# Altium PCB HIVE_SIGHT.PcbDoc (part 1 of 4) (continued)
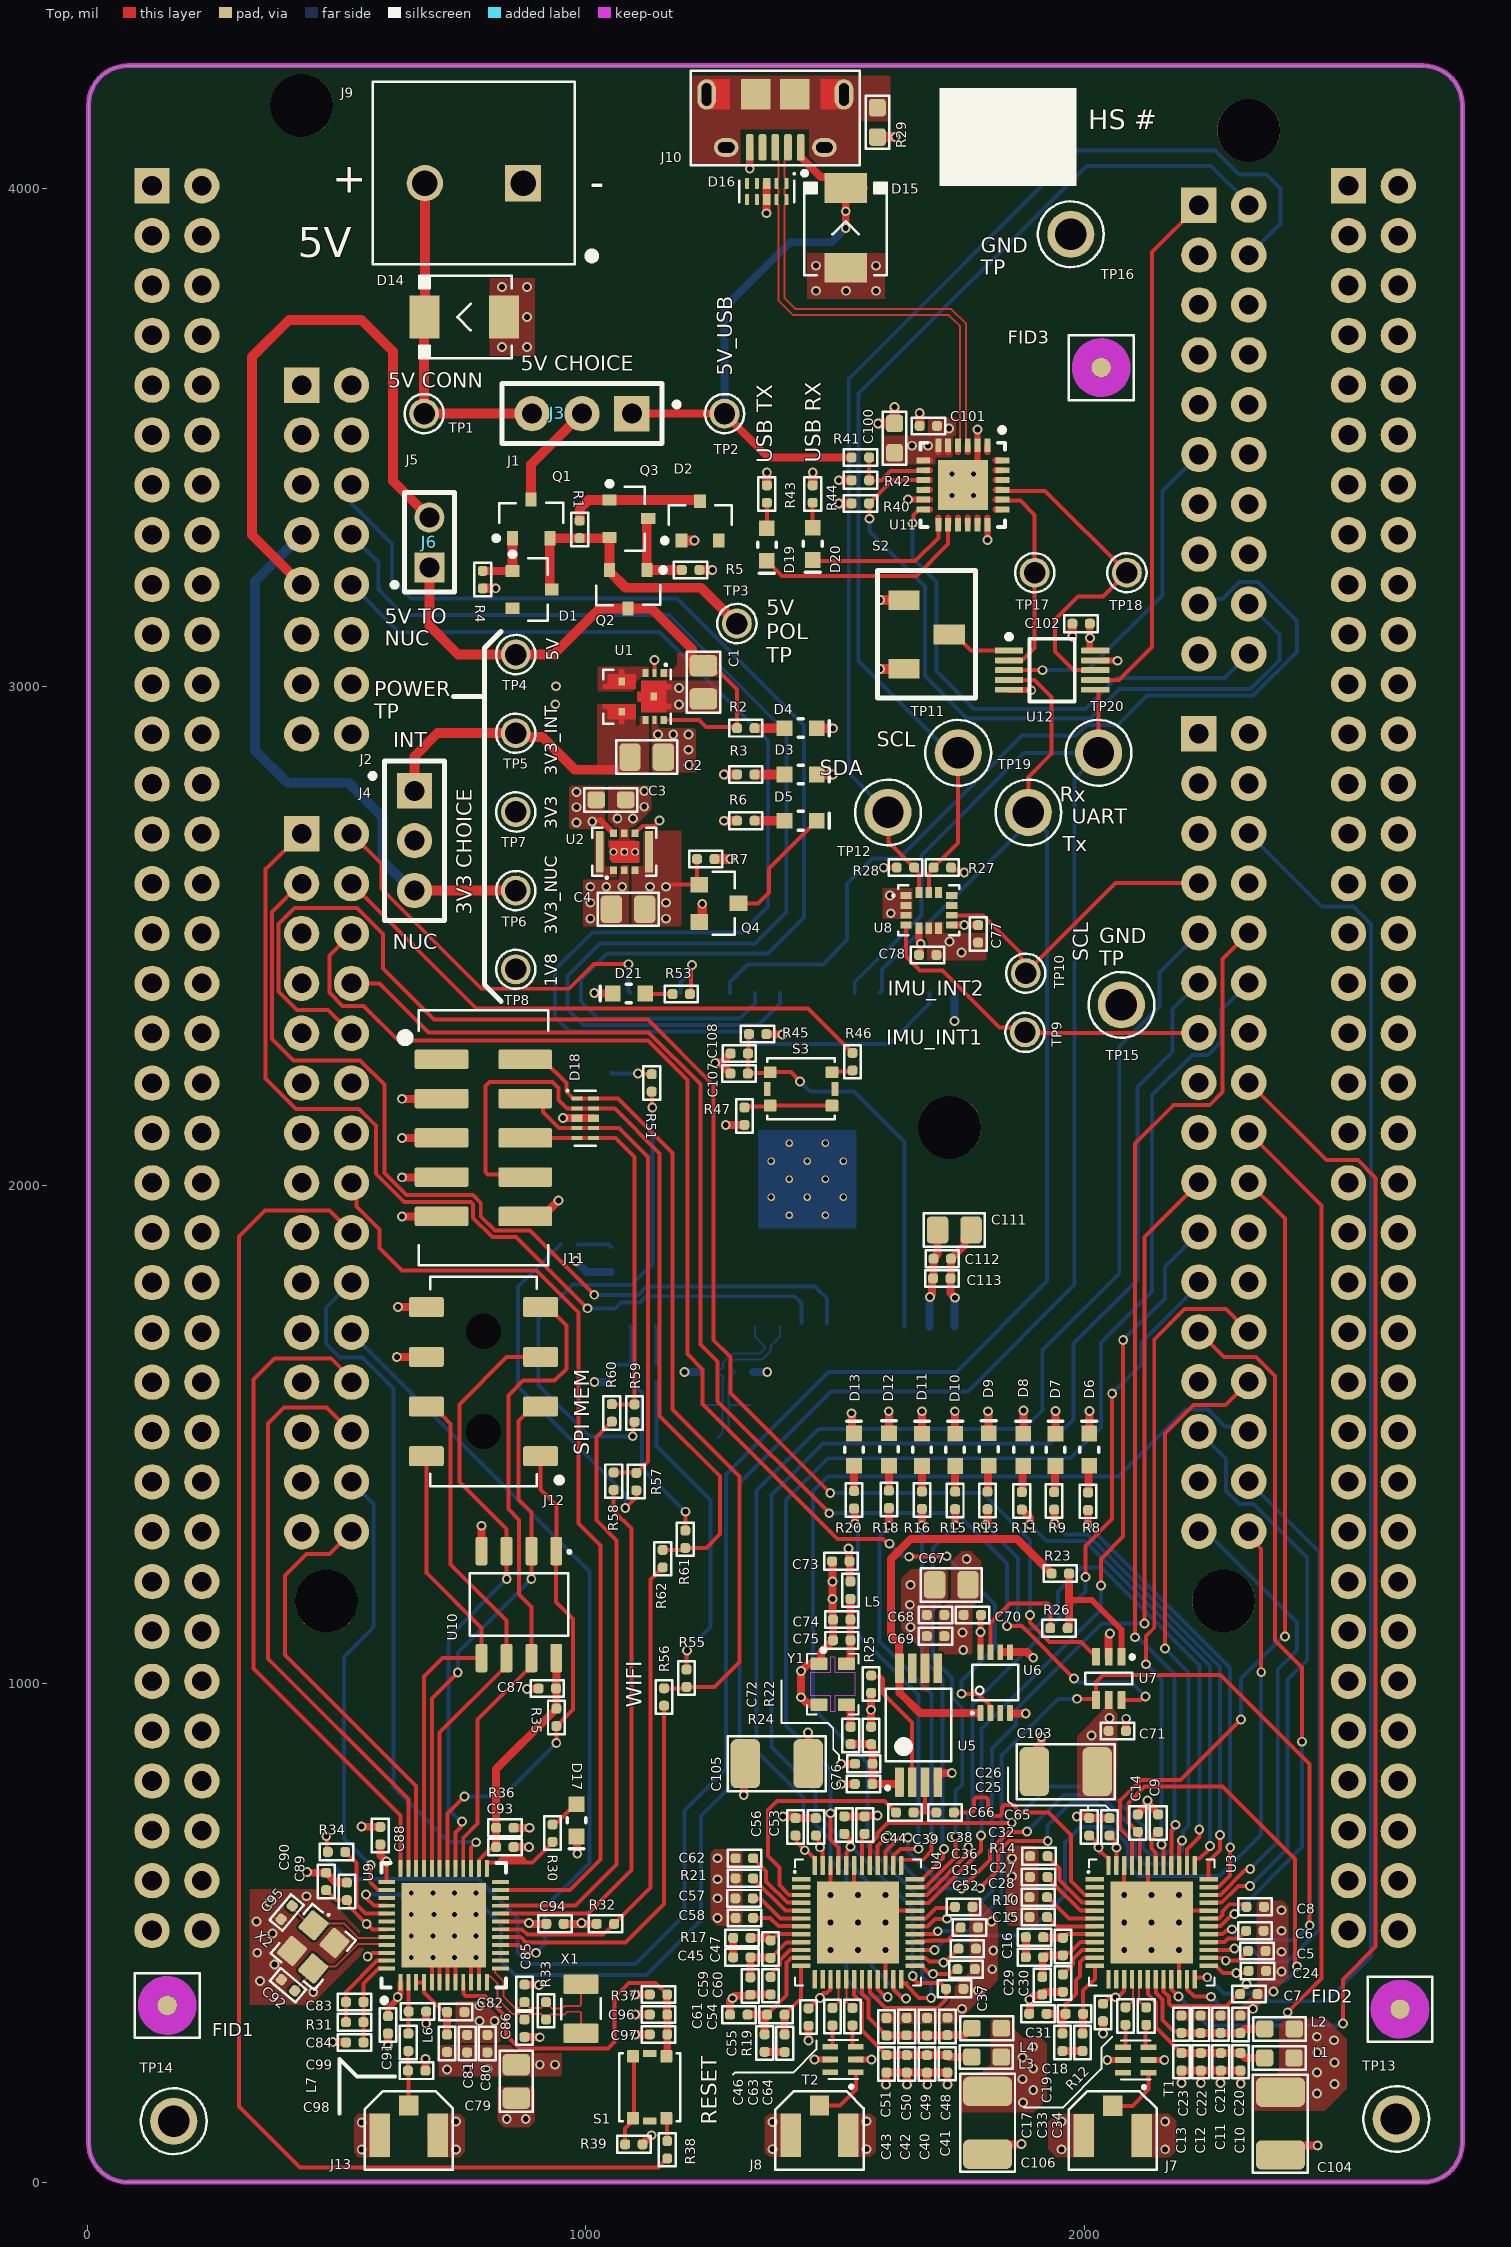
[diagram p0: Top view]
## Components (designator, comment, footprint, x,y, rotation, side; value= is the part's Value field where it differs from the comment) (continued)
T2 "HHM1595A1" XFR_HHM1595A1 1515.95,246.55 r90 top value="3GHz  ~ 8GHz"
TP1 "100MIL" TPO_TH_ROUND_100MIL 675.5,3548.3 r0 top
TP2 "100MIL" TPO_TH_ROUND_100MIL 1278.08,3548.3 r0 top
TP3 "100MIL" TPO_TH_ROUND_100MIL 1302.91,3127.17 r0 top
TP4 "100MIL" TPO_TH_ROUND_100MIL 859.25,3064.96 r0 top
TP5 "100MIL" TPO_TH_ROUND_100MIL 859.25,2907.12 r0 top
TP6 "100MIL" TPO_TH_ROUND_100MIL 859.25,2591.43 r0 top
TP7 "100MIL" TPO_TH_ROUND_100MIL 859.25,2749.27 r90 top
TP8 "100MIL" TPO_TH_ROUND_100MIL 859.25,2433.59 r90 top
TP9 "100MIL" TPO_TH_ROUND_100MIL 1880.91,2307.09 r270 top
TP10 "100MIL" TPO_TH_ROUND_100MIL 1882.26,2425.78 r270 top
TP11 "5011" TPO_5011#1 1746.8,2867.9 r180 top
TP12 "5011" TPO_5011#2 1606.05,2748.25 r180 top
TP13 "5011" TPO_5011#1 2625.57,127.34 r180 top
TP14 "5011" TPO_5011#1 173.24,122.84 r180 top
TP15 "5011" TPO_5011#1 2074.27,2362.2 r180 top
TP16 "5011" TPO_5011#1 1972.7,3908.1 r180 top
TP17 "100MIL" TPO_TH_ROUND_100MIL 1900.26,3229.17 r0 top
TP18 "100MIL" TPO_TH_ROUND_100MIL 2085.26,3229.17 r0 top
TP19 "5011" TPO_5011#1 1887.56,2748.25 r180 top
TP20 "5011" TPO_5011#1 2028.32,2867.9 r180 top
U1 "XCL214B333DR" REG_SWR_XCL214B333DR 1102.35,2980.62 r90 top value=3.3V
U2 "MYRGP180100W21RA" REG_SWR_MYRGP180100W21RA 1077.02,2669.29 r180 top value=1.8V
U3 "DW1000-I-TR13" COM_XCV_DW1000-I-TR13 2134.95,521.53 r0 top
U4 "DW1000-I-TR13" COM_XCV_DW1000-I-TR13 1545.85,521.53 r0 top
U5 "LMK1C1102PWR" COM_BUF_LMK1C1102PWR 1667.32,917.32 r90 top
U6 "SN74LVC2G00DCUR" LOG_NAND_SN74LVC2G00DCUR 1821.21,1002.66 r90 top
U7 "SN74LVC1G175DCKT" LOG_FLIPFLOP_SN74LVC1G175DCKT 2048.83,1011.02 r270 top
U8 "LSM6DSMTR" SEN_IMU_LSM6DSMTR 1687.81,2551.75 r180 top value=-
U9 "ESP32-D0WDQ6-V3" COM_WIFI_ESP32-D0WDQ6-V3 714.57,515.75 r90 top
U10 "MX25L3233FM1I-08Q" MEM_FLASH_MX25L3233FM1I-08Q 865.69,1159.29 r270 top value="32Mb (8M x 4)"
U11 "CP2102N-A02-GQFN24R" COM_XCV_CP2102N-A02-GQFN24R 1756.16,3405.28 r270 top value=-
U12 "TMUX154EDGSR" LOG_MUX_TMUX154EDGSR 1935.31,3033.65 r0 top value=-
U13 "NUCLEO_F429ZI" MOD_NUCLEO-F429ZI 1379.63,2230.13 r180 bottom locked value=-
U14 "ESP32-WROOM-32U" COM_ESP32-WROOM-32U(8MB) 1444,2051.84 r90 bottom
X1 "CM7V-T1A-32KHZ" CRY_CM7V-T1A-32.768KHZ-12.5PF-20PPM-TA-QC 990.16,348.43 r270 top value=32kHz
X2 "FA-20H 40.0000MF10Z-K3" "CRY_FA-20H 40.0000MF10Z-K3" 453.15,472.48 r230 top value=40MHz
X3 "CM7V-T1A-32KHZ" CRY_CM7V-T1A-32.768KHZ-12.5PF-20PPM-TA-QC 1280.37,1559.77 r0 bottom value=32kHz
Y1 "ASTXR-12-38.400MHz-514054-T" OSC_ASTXR-12-38.400MHZ-514054-T 1495.08,999.57 r270 top value=38.4MHz

## Footprints (in the part's own frame and the unit in brackets; to place one, negate y for a bottom-side part, rotate by r counter-clockwise, add the part's x,y. Pads: shape width x height; smd on the part's side, far side on the other; paste and mask are expansions set on the pad)
CAP_CER_0402 [mil] "Ceramic Capacitor - 0402"
  rrect60% 20x20 smd paste+0 mask+1.97: 1(-17.5,0) 2(17.5,0)
  silkscreen extent -33,-17 33,17, body extent -19,-10 20,10, height 20
CAP_CER_0603 [mil] "Ceramic Capacitor - 0603"
  rrect35% 35x34 smd paste+0 mask+1.97: 1(-29.5,0) 2(29.5,0)
  silkscreen extent -53,-24 53,24, body extent -31,-16 31,16, height 35
CAP_CER_0805 [mil] "Ceramic Capacitor - 0805"
  rrect37% 43x55 smd paste+0 mask+1.97: 1(-33.5,0) 2(33.5,0)
  silkscreen extent -61,-33 61,33, body extent -39,-24 40,25, height 49
CAP_CER_1210 [mm] "Ceramic Capacitor - 1210"
  rrect40% 1.5x2.5 smd paste+0 mask+0.05: 1(-1.6,0) 2(1.6,0)
  silkscreen extent -2.5,-1.4 2.5,1.4, body extent -1.57,-1.24 1.63,1.26, height 2.5
COM_BUF_LMK1C1102PWR [mm] "TSOP, 8-Leads, Body 3,00x4,40mm, Pitch 0,65mm, IPC Medium Density"
  rrect20% 1.5x0.45 smd paste-0.05 mask+0.05: 1(-2.9,0.975) 2(-2.9,0.325) 3(-2.9,-0.325) 4(-2.9,-0.975) 5(2.9,-0.975) 6(2.9,-0.325) 7(2.9,0.325) 8(2.9,0.975)
  silkscreen extent -3.25,-1.68 1.85,1.68, body extent -3.2,-1.55 3.2,1.55, height 1.2
COM_ESP32-WROOM-32U(8MB) [mm]
  rrect20% 2x0.9 smd paste-0.025 mask+0.07: 1(-8.5,7.5) 2(-8.5,6.23) 3(-8.5,4.96) 4(-8.5,3.69) 5(-8.5,2.42) 6(-8.5,1.15) 7(-8.5,-0.12) 8(-8.5,-1.39) 9(-8.5,-2.66) 10(-8.5,-3.93) 11(-8.5,-5.2) 12(-8.5,-6.47) 13(-8.5,-7.74) 14(-8.5,-9.01) 25(8.5,-9.01) 26(8.5,-7.74) 27(8.5,-6.47) 28(8.5,-5.2) 29(8.5,-3.93) 30(8.5,-2.66) 31(8.5,-1.39) 32(8.5,-0.12) 33(8.5,1.15) 34(8.5,2.42) 35(8.5,3.69) 36(8.5,4.96) 37(8.5,6.23) 38(8.5,7.5)
  rrect20% 0.9x2 smd paste-0.025 mask+0.07: 15(-5.715,-10.01) 16(-4.445,-10.01) 17(-3.175,-10.01) 18(-1.905,-10.01) 19(-0.635,-10.01) 20(0.635,-10.01) 21(1.905,-10.01) 22(3.175,-10.01) 23(4.445,-10.01) 24(5.715,-10.01)
  rrect0% 1.33x1.33 smd paste-0.025 mask+0.07: 39(-2.835,-1.835) 39(-2.835,0) 39(-2.835,1.835) 39(-1,-1.835) 39(-1,0) 39(-1,1.835) 39(0.835,-1.835) 39(0.835,0) 39(0.835,1.835)
  Top region: -3.5,2.5 1.5,2.5 1.5,-2.5 -3.5,-2.5
  silkscreen extent -9.17,-10.73 9.17,8.83, body extent -9.04,-10.55 9.03,8.69, height 3.4
COM_WIFI_ESP32-D0WDQ6-V3 [mm]
  rrect20% 0.85x0.2 smd paste-0.025 mask+0.05: 1(-2.9,2.2) 2(-2.9,1.8) 3(-2.9,1.4) 4(-2.9,1) 5(-2.9,0.6) 6(-2.9,0.2) 7(-2.9,-0.2) 8(-2.9,-0.6) 9(-2.9,-1) 10(-2.9,-1.4) 11(-2.9,-1.8) 12(-2.9,-2.2) 25(2.9,-2.2) 26(2.9,-1.8) 27(2.9,-1.4) 28(2.9,-1) 29(2.9,-0.6) 30(2.9,-0.2) 31(2.9,0.2) 32(2.9,0.6) 33(2.9,1) 34(2.9,1.4) 35(2.9,1.8) 36(2.9,2.2)
  rrect20% 0.2x0.85 smd paste-0.025 mask+0.05: 13(-2.2,-2.9) 14(-1.8,-2.9) 15(-1.4,-2.9) 16(-1,-2.9) 17(-0.6,-2.9) 18(-0.2,-2.9) 19(0.2,-2.9) 20(0.6,-2.9) 21(1,-2.9) 22(1.4,-2.9) 23(1.8,-2.9) 24(2.2,-2.9) 37(2.2,2.9) 38(1.8,2.9) 39(1.4,2.9) 40(1,2.9) 41(0.6,2.9) 42(0.2,2.9) 43(-0.2,2.9) 44(-0.6,2.9) 45(-1,2.9) 46(-1.4,2.9) 47(-1.8,2.9) 48(-2.2,2.9)
  rect 4.3x4.3 smd paste-4.3 mask+0.05: 49(0,0)
  silkscreen extent -3.95,-3.18 3.18,3.18, body extent -3.03,-3.03 3.03,3.03, height 0.9
COM_XCV_CP2102N-A02-GQFN24R [mm] "QFN, 24-Leads, Body 4.00x4.00mm, Pitch 0.50mm, Thermal Pad 2.55x2.55mm, IPC Medium Density"
  rect 0.7x0.3 smd paste-0.025 mask+0.05: 1(-2.025,1.25) 2(-2.025,0.75) 3(-2.025,0.25) 4(-2.025,-0.25) 5(-2.025,-0.75) 6(-2.025,-1.25) 13(2.025,-1.25) 14(2.025,-0.75) 15(2.025,-0.25) 16(2.025,0.25) 17(2.025,0.75) 18(2.025,1.25)
  rect 0.3x0.7 smd paste-0.025 mask+0.05: 7(-1.25,-2.025) 8(-0.75,-2.025) 9(-0.25,-2.025) 10(0.25,-2.025) 11(0.75,-2.025) 12(1.25,-2.025) 19(1.25,2.025) 20(0.75,2.025) 21(0.25,2.025) 22(-0.25,2.025) 23(-0.75,2.025) 24(-1.25,2.025)
  rect 2.55x2.55 smd paste-0.025 mask+0.05: 25(0,0)
  Top region: -1.675,1.1 -1.61,1.115 -1.558,1.156 -1.529,1.217 -1.529,1.283 -1.558,1.344 -1.61,1.385 -1.675,1.4 -1.675,1.4 -2.025,1.4 -2.025,1.1
  Top region: -1.675,-0.9 -1.61,-0.885 -1.558,-0.844 -1.529,-0.783 -1.529,-0.717 -1.558,-0.656 -1.61,-0.615 -1.675,-0.6 -1.675,-0.6 -2.025,-0.6 -2.025,-0.9
  Top region: -1.675,-0.4 -1.61,-0.385 -1.558,-0.344 -1.529,-0.283 -1.529,-0.217 -1.558,-0.156 -1.61,-0.115 -1.675,-0.1 -1.675,-0.1 -2.025,-0.1 -2.025,-0.4
  Top region: -1.675,0.1 -1.61,0.115 -1.558,0.156 -1.529,0.217 -1.529,0.283 -1.558,0.344 -1.61,0.385 -1.675,0.4 -1.675,0.4 -2.025,0.4 -2.025,0.1
  Top region: -1.675,0.6 -1.61,0.615 -1.558,0.656 -1.529,0.717 -1.529,0.783 -1.558,0.844 -1.61,0.885 -1.675,0.9 -1.675,0.9 -2.025,0.9 -2.025,0.6
  Top region: -1.1,-1.675 -1.115,-1.61 -1.156,-1.558 -1.217,-1.529 -1.283,-1.529 -1.344,-1.558 -1.385,-1.61 -1.4,-1.675 -1.4,-1.675 -1.4,-2.025 -1.1,-2.025
  Top region: 1.4,-1.675 1.385,-1.61 1.344,-1.558 1.283,-1.529 1.217,-1.529 1.156,-1.558 1.115,-1.61 1.1,-1.675 1.1,-1.675 1.1,-2.025 1.4,-2.025
  Top region: 0.9,-1.675 0.885,-1.61 0.844,-1.558 0.783,-1.529 0.717,-1.529 0.656,-1.558 0.615,-1.61 0.6,-1.675 0.6,-1.675 0.6,-2.025 0.9,-2.025
  Top region: 0.4,-1.675 0.385,-1.61 0.344,-1.558 0.283,-1.529 0.217,-1.529 0.156,-1.558 0.115,-1.61 0.1,-1.675 0.1,-1.675 0.1,-2.025 0.4,-2.025
  Top region: -0.1,-1.675 -0.115,-1.61 -0.156,-1.558 -0.217,-1.529 -0.283,-1.529 -0.344,-1.558 -0.385,-1.61 -0.4,-1.675 -0.4,-1.675 -0.4,-2.025 -0.1,-2.025
  Top region: -0.6,-1.675 -0.615,-1.61 -0.656,-1.558 -0.717,-1.529 -0.783,-1.529 -0.844,-1.558 -0.885,-1.61 -0.9,-1.675 -0.9,-1.675 -0.9,-2.025 -0.6,-2.025
  Top region: 1.675,-1.1 1.61,-1.115 1.558,-1.156 1.529,-1.217 1.529,-1.283 1.558,-1.344 1.61,-1.385 1.675,-1.4 1.675,-1.4 2.025,-1.4 2.025,-1.1
  Top region: 1.675,1.4 1.61,1.385 1.558,1.344 1.529,1.283 1.529,1.217 1.558,1.156 1.61,1.115 1.675,1.1 1.675,1.1 2.025,1.1 2.025,1.4
  Top region: 1.675,0.9 1.61,0.885 1.558,0.844 1.529,0.783 1.529,0.717 1.558,0.656 1.61,0.615 1.675,0.6 1.675,0.6 2.025,0.6 2.025,0.9
  Top region: 1.675,0.4 1.61,0.385 1.558,0.344 1.529,0.283 1.529,0.217 1.558,0.156 1.61,0.115 1.675,0.1 1.675,0.1 2.025,0.1 2.025,0.4
  Top region: 1.675,-0.1 1.61,-0.115 1.558,-0.156 1.529,-0.217 1.529,-0.283 1.558,-0.344 1.61,-0.385 1.675,-0.4 1.675,-0.4 2.025,-0.4 2.025,-0.1
  Top region: 1.675,-0.6 1.61,-0.615 1.558,-0.656 1.529,-0.717 1.529,-0.783 1.558,-0.844 1.61,-0.885 1.675,-0.9 1.675,-0.9 2.025,-0.9 2.025,-0.6
  Top region: 1.1,1.675 1.115,1.61 1.156,1.558 1.217,1.529 1.283,1.529 1.344,1.558 1.385,1.61 1.4,1.675 1.4,1.675 1.4,2.025 1.1,2.025
  Top region: -1.4,1.675 -1.385,1.61 -1.344,1.558 -1.283,1.529 -1.217,1.529 -1.156,1.558 -1.115,1.61 -1.1,1.675 -1.1,1.675 -1.1,2.025 -1.4,2.025
  Top region: -0.9,1.675 -0.885,1.61 -0.844,1.558 -0.783,1.529 -0.717,1.529 -0.656,1.558 -0.615,1.61 -0.6,1.675 -0.6,1.675 -0.6,2.025 -0.9,2.025
  Top region: -0.4,1.675 -0.385,1.61 -0.344,1.558 -0.283,1.529 -0.217,1.529 -0.156,1.558 -0.115,1.61 -0.1,1.675 -0.1,1.675 -0.1,2.025 -0.4,2.025
  Top region: 0.1,1.675 0.115,1.61 0.156,1.558 0.217,1.529 0.283,1.529 0.344,1.558 0.385,1.61 0.4,1.675 0.4,1.675 0.4,2.025 0.1,2.025
  Top region: 0.6,1.675 0.615,1.61 0.656,1.558 0.717,1.529 0.783,1.529 0.844,1.558 0.885,1.61 0.9,1.675 0.9,1.675 0.9,2.025 0.6,2.025
  Top region: -1.675,-1.4 -1.61,-1.385 -1.558,-1.344 -1.529,-1.283 -1.529,-1.217 -1.558,-1.156 -1.61,-1.115 -1.675,-1.1 -1.675,-1.1 -2.025,-1.1 -2.025,-1.4
  silkscreen extent -2.92,-2.15 2.15,2.15, body extent -2,-2 2,2, height 0.8
COM_XCV_DW1000-I-TR13 [mm] "QFN 48 package, 0.5mm pitch"
  rrect20% 0.95x0.22 smd paste-0.025 mask+0.04: 1(-2.9,2.2) 2(-2.9,1.8) 3(-2.9,1.4) 4(-2.9,1) 5(-2.9,0.6) 6(-2.9,0.2) 7(-2.9,-0.2) 8(-2.9,-0.6) 9(-2.9,-1) 10(-2.9,-1.4) 11(-2.9,-1.8) 12(-2.9,-2.2) 25(2.9,-2.2) 26(2.9,-1.8) 27(2.9,-1.4) 28(2.9,-1) 29(2.9,-0.6) 30(2.9,-0.2) 31(2.9,0.2) 32(2.9,0.6) 33(2.9,1) 34(2.9,1.4) 35(2.9,1.8) 36(2.9,2.2)
  rrect20% 0.22x0.95 smd paste-0.025 mask+0.04: 13(-2.2,-2.9) 14(-1.8,-2.9) 15(-1.4,-2.9) 16(-1,-2.9) 17(-0.6,-2.9) 18(-0.2,-2.9) 19(0.2,-2.9) 20(0.6,-2.9) 21(1,-2.9) 22(1.4,-2.9) 23(1.8,-2.9) 24(2.2,-2.9) 37(2.2,2.9) 38(1.8,2.9) 39(1.4,2.9) 40(1,2.9) 41(0.6,2.9) 42(0.2,2.9) 43(-0.2,2.9) 44(-0.6,2.9) 45(-1,2.9) 46(-1.4,2.9) 47(-1.8,2.9) 48(-2.2,2.9)
  rect 4.2x4.2 smd paste-5 mask+0.07: 49(0,0)
  silkscreen extent -3.27,-3.2 3.2,3.2, body extent -3.05,-3.05 3.05,3.05, height 0.9
CON_0878321014 [mm]
  rrect20% 1x2.75 smd: 1(-4,-2.13) 2(-4,2.13) 3(-2,-2.13) 4(-2,2.13) 5(0,-2.13) 6(0,2.13) 7(2,-2.13) 8(2,2.13) 9(4,-2.13) 10(4,2.13)
  silkscreen extent -6.49,-4.17 6.49,3.3, body extent -6.32,-3.17 6.33,3.18, height 9.05
"CON_ 1935161" [mm]
  rect 1.85x1.85 hole 1.3: 1(0,0)
  round 1.85 hole 1.3: 2(5,0)
  silkscreen extent -3.63,-5.16 7.65,4.14, body extent -2.5,-5 8.07,4, height 11.4
CON_HDR_1X2 [mil]
  rect 60x60 hole 40: 1(0,50)
  round 60 hole 40: 2(0,-50)
  silkscreen extent -50,-100 75,100, body extent -50,-100 50,100, height 334
CON_HDR_M20-7810445R [mm]
  rrect20% 1.02x1.78 smd paste-0.025 mask+0.07: 1(-3.81,-2.91) 2(-1.27,-2.911) 3(1.248,-2.911) 4(3.788,-2.911) 5(3.788,2.91) 6(1.248,2.91) 7(-1.27,2.91) 8(-3.81,2.91)
  round 1 hole 1.8: ""(-2.554,0) ""(2.554,0)
  silkscreen extent -5.33,-3.9 5.33,2.72, body extent -5.08,-3.63 5.08,3.57, height 3.75
CON_HDR_NUCLEO_F429ZI_C008DAAN-RC [mil]
  body extent -98,-400 98,400, height 330
CON_HDR_NUCLEO_F429ZI_C010DAAN-RC [mil]
  body extent -98,-500 98,500, height 330
CON_HDR_NUCLEO_F429ZI_C015DAAN-RC [mil]
  body extent -98,-750 98,750, height 330
CON_HDR_NUCLEO_F429ZI_C017DAAN-RC [mil]
  body extent -98,-850 98,850, height 330
CON_HDR_TSW-103-07-G-S [mm] "Connector Header 100 mil HDR"
  rect 1.8x1.8 hole 1.02 mask+0.1: 1(-2.54,0)
  round 1.8 hole 1.02 mask+0.1: 2(0,0) 3(2.54,0)
  silkscreen extent -4.95,-1.52 4.06,1.52, body extent -3.94,-1.27 3.81,1.27, height 8.38
CON_JMP_SNT-100-BK-T-H [mil] "100 Mil Header Jumper"
  body extent -100,-50 100,50, height 650
CON_UMC_128-0711-201 [mil]
  rect 39x41 smd paste-0.98 mask+1.97: 1(0,-59.5)
  rect 41x87 smd paste-0.98 mask+1.97: 2(-58,0) 3(58,0)
  silkscreen extent -89,-89 89,69, body extent -59,-61 59,61, height 51
CON_USB_10118194-0001LF [mm] "CONN USB MICRO B RECPT SMT R/A"
  rrect50% 0.4x1.35 smd paste+0 mask+0.05: 1(-1.3,2.7) 2(-0.65,2.7) 3(0,2.7) 4(0.65,2.7) 5(1.3,2.7)
  rrect100% 1.25x0.95 hole 0.55 slot 0.85 at 0 deg mask+0.05: 6(2.5,2.7) 11(-2.5,2.7)
  rrect100% 0.95x1.55 hole 0.5 slot 1.15 at 90 deg mask+0.05: 7(3.5,0) 10(-3.5,0)
  rect 1.5x1.55 smd paste+0 mask+0.05: 8(1,0) 9(-1,0)
  Top region: 2.3,-0.775 3.5,-0.775 3.5,0.775 2.3,0.775
  Top region: -2.3,0.775 -3.5,0.775 -3.5,-0.775 -2.3,-0.775
  silkscreen extent -4.3,-1.2 4.3,4.11, body extent -4.03,-2.69 4.02,2.89, height 2.72
CRY_CM7V-T1A-32.768KHZ-12.5PF-20PPM-TA-QC [mm] "CRY - 32.768KHZ tol:20ppm 12.5PF - 2-SMD"
  rrect20% 1x1.8 smd paste-0.025 mask+0.07: 1(-1.25,0) 2(1.25,0)
  silkscreen extent -0.53,-1.02 0.53,1.02, body extent -1.65,-0.8 1.65,0.8, height 0.65
"CRY_FA-20H 40.0000MF10Z-K3" [mm] "CRY - 40MKHZ 10ppm 10PF - 4-SMD"
  rrect20% 1.2x1.1 smd paste-0.025 mask+0.07: 1(-0.85,-0.7) 2(0.85,-0.7) 3(0.85,0.7) 4(-0.85,0.7)
  silkscreen extent -1.8,-1.45 1.65,1.45, body extent -1.3,-1.05 1.3,1.05, height 0.55
DIO_ZENER_BZX84-B3V6,215 [mm]
  rect 0.7x0.6 smd paste-0.025 mask+0.07: 1(-1,0.95) 2(-1,-0.95) 3(1,0)
  silkscreen extent -1.12,-1.6 0.81,1.92, body extent -1.3,-1.5 1.3,1.5, height 1.1
FER_0402 [mil] "Ferrite - 0402"
  rrect60% 20x20 smd paste+0 mask+1.97: 1(-17.5,0) 2(17.5,0)
  silkscreen extent -33,-17 33,17, body extent -20,-10 20,10, height 19
FER_0603 [mil] "Ferrite - 0603"
  rrect35% 35x34 smd paste+0 mask+1.97: 1(-29.5,0) 2(29.5,0)
  silkscreen extent -53,-24 53,24, body extent -31,-16 31,16, height 31
FID_CIRCLE_1MM [mm]
  round 1 smd paste-1 mask+1: 1(0,0)
  round 1 smd far side paste-1 mask+1: 2(0,0)
  Top keep-out circle w1: c0,0 r1
  Bottom keep-out circle w1: c0,0 r1
  silkscreen extent -1.65,-1.65 1.65,1.65
LED_SML-D12P8WT86 [mm] "0603"
  rect 0.8x0.8 smd paste-0.025 mask+0.07: A(0.825,0) K(-0.825,0)
  silkscreen extent -1.45,-0.48 0.13,0.48, body extent -0.8,-0.4 0.8,0.4, height 0.6
LOG_FLIPFLOP_SN74LVC1G175DCKT [mm] "SOT23, 6-Leads, Body 2.00x2.10mm, Pitch 0.65mm, IPC Medium Density"
  rrect10% 0.9x0.4 smd paste-0.025 mask+0.05: 1(-1.1,0.65) 2(-1.1,0) 3(-1.1,-0.65) 4(1.1,-0.65) 5(1.1,0) 6(1.1,0.65)
  silkscreen extent -1.16,-1.19 0.3,1.26, body extent -1.2,-1.07 1.2,1.07, height 1.1
LOG_MUX_TMUX154EDGSR [mm] "TSSOP, 10-Leads, Body 3.00x3.00mm, Pitch 0.50mm, IPC Medium Density"
  rrect30% 1.45x0.3 smd paste-0.025 mask+0.05: 1(-2.2,1) 2(-2.2,0.5) 3(-2.2,0) 4(-2.2,-0.5) 5(-2.2,-1) 6(2.2,-1) 7(2.2,-0.5) 8(2.2,0) 9(2.2,0.5) 10(2.2,1)
  silkscreen extent -2.32,-1.6 1.15,1.82, body extent -2.45,-1.55 2.45,1.55, height 1.1
LOG_NAND_SN74LVC2G00DCUR [mm] "SN74LVC2G00"
  rrect20% 0.8x0.3 smd paste-0.05 mask+0.05: 1(-1.55,0.75) 2(-1.55,0.25) 3(-1.55,-0.25) 4(-1.55,-0.75) 5(1.55,-0.75) 6(1.55,-0.25) 7(1.55,0.25) 8(1.55,0.75)
  silkscreen extent -1.61,-1.17 0.91,1.23, body extent -1.55,-1.05 1.55,1.05, height 0.9
MEM_FLASH_MX25L3233FM1I-08Q [mm] "SOIC, 8-Leads, Body 4,90x3,90mm, Pitch 1,27mm, IPC Medium Density"
  rrect30% 1.45x0.6 smd paste-0.025 mask+0.07: 1(-2.725,1.905) 2(-2.725,0.635) 3(-2.725,-0.635) 4(-2.725,-1.905) 5(2.725,-1.905) 6(2.725,-0.635) 7(2.725,0.635) 8(2.725,1.905)
  silkscreen extent -2.76,-2.5 1.6,2.64, body extent -3,-2.5 3,2.5, height 1.75
MOD_NUCLEO-F429ZI [mm]
  round 3.2 hole 3.2 unplated: 0(-24.13,47.909) 0(-22.86,-27.021) 0(-8.89,-2.891) 0(22.86,-27.021) 0(24.13,49.179)
  rect 1.8x1.8 hole 1: CN7-1(-21.59,44.099) CN8-1(24.13,34.93) CN9-1(24.13,12.07) CN10-1(-21.59,17.175) CN11-1(31.75,45.09) CN12-1(-29.21,45.09)
  round 1.8 hole 1: CN7-2(-24.13,44.099) CN7-3(-21.59,41.559) CN7-4(-24.13,41.559) CN7-5(-21.59,39.019) CN7-6(-24.13,39.019) CN7-7(-21.59,36.479) CN7-8(-24.13,36.479) CN7-9(-21.59,33.939) CN7-10(-24.13,33.939) CN7-11(-21.59,31.399) CN7-12(-24.13,31.399) CN7-13(-21.59,28.859) CN7-14(-24.13,28.859) CN7-15(-21.59,26.319) CN7-16(-24.13,26.319) CN7-17(-21.59,23.779) CN7-18(-24.13,23.779) CN7-19(-21.59,21.239) CN7-20(-24.13,21.239) CN8-2(21.59,34.93) CN8-3(24.13,32.39) CN8-4(21.59,32.39) CN8-5(24.13,29.85) CN8-6(21.59,29.85) CN8-7(24.13,27.31) CN8-8(21.59,27.31) CN8-9(24.13,24.77) CN8-10(21.59,24.77) CN8-11(24.13,22.23) CN8-12(21.59,22.23) CN8-13(24.13,19.69) CN8-14(21.59,19.69) CN8-15(24.13,17.15) CN8-16(21.59,17.15) CN9-2(21.59,12.07) CN9-3(24.13,9.53) CN9-4(21.59,9.53) CN9-5(24.13,6.99) CN9-6(21.59,6.99) CN9-7(24.13,4.45) CN9-8(21.59,4.45) CN9-9(24.13,1.91) CN9-10(21.59,1.91) CN9-11(24.13,-0.63) CN9-12(21.59,-0.63) CN9-13(24.13,-3.17) CN9-14(21.59,-3.17) CN9-15(24.13,-5.71) CN9-16(21.59,-5.71) CN9-17(24.13,-8.25) CN9-18(21.59,-8.25) CN9-19(24.13,-10.79) CN9-20(21.59,-10.79) CN9-21(24.13,-13.33) CN9-22(21.59,-13.33) CN9-23(24.13,-15.87) CN9-24(21.59,-15.87) CN9-25(24.13,-18.41) CN9-26(21.59,-18.41) CN9-27(24.13,-20.95) CN9-28(21.59,-20.95) CN9-29(24.13,-23.49) CN9-30(21.59,-23.49) CN10-2(-24.13,17.175) CN10-3(-21.59,14.635) CN10-4(-24.13,14.635) CN10-5(-21.59,12.095) CN10-6(-24.13,12.095) CN10-7(-21.59,9.555) CN10-8(-24.13,9.555) CN10-9(-21.59,7.015) CN10-10(-24.13,7.015) CN10-11(-21.59,4.475) CN10-12(-24.13,4.475) CN10-13(-21.59,1.935) CN10-14(-24.13,1.935) CN10-15(-21.59,-0.605) CN10-16(-24.13,-0.605) CN10-17(-21.59,-3.145) CN10-18(-24.13,-3.145) CN10-19(-21.59,-5.685) CN10-20(-24.13,-5.685) CN10-21(-21.59,-8.225) CN10-22(-24.13,-8.225) CN10-23(-21.59,-10.765) CN10-24(-24.13,-10.765) CN10-25(-21.59,-13.305) CN10-26(-24.13,-13.305) CN10-27(-21.59,-15.845) CN10-28(-24.13,-15.845) CN10-29(-21.59,-18.385) CN10-30(-24.13,-18.385) CN10-31(-21.59,-20.925) CN10-32(-24.13,-20.925) CN10-33(-21.59,-23.465) CN10-34(-24.13,-23.465) CN11-2(29.21,45.09) CN11-3(31.75,42.55) CN11-4(29.21,42.55) CN11-5(31.75,40.01) CN11-6(29.21,40.01) CN11-7(31.75,37.47) CN11-8(29.21,37.47) CN11-9(31.75,34.93) CN11-10(29.21,34.93) CN11-11(31.75,32.39) CN11-12(29.21,32.39) CN11-13(31.75,29.85) CN11-14(29.21,29.85) CN11-15(31.75,27.31) CN11-16(29.21,27.31) CN11-17(31.75,24.77) CN11-18(29.21,24.77) CN11-19(31.75,22.23) CN11-20(29.21,22.23) CN11-21(31.75,19.69) CN11-22(29.21,19.69) CN11-23(31.75,17.15) CN11-24(29.21,17.15) CN11-25(31.75,14.61) CN11-26(29.21,14.61) CN11-27(31.75,12.07) CN11-28(29.21,12.07) CN11-29(31.75,9.53) CN11-30(29.21,9.53) CN11-31(31.75,6.99) CN11-32(29.21,6.99) CN11-33(31.75,4.45) CN11-34(29.21,4.45) CN11-35(31.75,1.91) CN11-36(29.21,1.91) CN11-37(31.75,-0.63) CN11-38(29.21,-0.63) CN11-39(31.75,-3.17) CN11-40(29.21,-3.17) CN11-41(31.75,-5.71) CN11-42(29.21,-5.71) CN11-43(31.75,-8.25) CN11-44(29.21,-8.25) CN11-45(31.75,-10.79) CN11-46(29.21,-10.79) CN11-47(31.75,-13.33) CN11-48(29.21,-13.33) CN11-49(31.75,-15.87) CN11-50(29.21,-15.87) CN11-51(31.75,-18.41) CN11-52(29.21,-18.41) CN11-53(31.75,-20.95) CN11-54(29.21,-20.95) CN11-55(31.75,-23.49) CN11-56(29.21,-23.49) CN11-57(31.75,-26.03) CN11-58(29.21,-26.03) CN11-59(31.75,-28.57) CN11-60(29.21,-28.57) CN11-61(31.75,-31.11) CN11-62(29.21,-31.11) CN11-63(31.75,-33.65) CN11-64(29.21,-33.65) CN11-65(31.75,-36.19) CN11-66(29.21,-36.19) CN11-67(31.75,-38.73) CN11-68(29.21,-38.73) CN11-69(31.75,-41.27) CN11-70(29.21,-41.27) CN11-71(31.75,-43.81) CN11-72(29.21,-43.81) CN12-2(-31.75,45.09) CN12-3(-29.21,42.55) CN12-4(-31.75,42.55) CN12-5(-29.21,40.01) CN12-6(-31.75,40.01) CN12-7(-29.21,37.47) CN12-8(-31.75,37.47) CN12-9(-29.21,34.93) CN12-10(-31.75,34.93) CN12-11(-29.21,32.39) CN12-12(-31.75,32.39) CN12-13(-29.21,29.85) CN12-14(-31.75,29.85) CN12-15(-29.21,27.31) CN12-16(-31.75,27.31) CN12-17(-29.21,24.77) CN12-18(-31.75,24.77) CN12-19(-29.21,22.23) CN12-20(-31.75,22.23) CN12-21(-29.21,19.69) CN12-22(-31.75,19.69) CN12-23(-29.21,17.15) CN12-24(-31.75,17.15) CN12-25(-29.21,14.61) CN12-26(-31.75,14.61) CN12-27(-29.21,12.07) CN12-28(-31.75,12.07) CN12-29(-29.21,9.53) CN12-30(-31.75,9.53) CN12-31(-29.21,6.99) CN12-32(-31.75,6.99) CN12-33(-29.21,4.45) CN12-34(-31.75,4.45) CN12-35(-29.21,1.91) CN12-36(-31.75,1.91) CN12-37(-29.21,-0.63) CN12-38(-31.75,-0.63) CN12-39(-29.21,-3.17) CN12-40(-31.75,-3.17) CN12-41(-29.21,-5.71) CN12-42(-31.75,-5.71) CN12-43(-29.21,-8.25) CN12-44(-31.75,-8.25) CN12-45(-29.21,-10.79) CN12-46(-31.75,-10.79) CN12-47(-29.21,-13.33) CN12-48(-31.75,-13.33) CN12-49(-29.21,-15.87) CN12-50(-31.75,-15.87) CN12-51(-29.21,-18.41) CN12-52(-31.75,-18.41) CN12-53(-29.21,-20.95) CN12-54(-31.75,-20.95) CN12-55(-29.21,-23.49) CN12-56(-31.75,-23.49) CN12-57(-29.21,-26.03) CN12-58(-31.75,-26.03) CN12-59(-29.21,-28.57) CN12-60(-31.75,-28.57) CN12-61(-29.21,-31.11) CN12-62(-31.75,-31.11) CN12-63(-29.21,-33.65) CN12-64(-31.75,-33.65) CN12-65(-29.21,-36.19) CN12-66(-31.75,-36.19) CN12-67(-29.21,-38.73) CN12-68(-31.75,-38.73) CN12-69(-29.21,-41.27) CN12-70(-31.75,-41.27) CN12-71(-29.21,-43.81) CN12-72(-31.75,-43.81)
  silkscreen extent -33.06,-45.19 33.84,46.47, body extent -35,-59.04 35,77.95, height 21.04
OSC_ASTXR-12-38.400MHZ-514054-T [mm]
  rrect10% 0.63x0.85 smd paste-0.025 mask+0.07: 1(-1.04,-0.7) 3(1.04,-0.7) 4(1.04,0.7) 6(-1.04,0.7)
  Top keep-out region: -0.57,1.15 -0.57,0.125 -1.37,0.125 -1.37,-0.125 -0.57,-0.125 -0.57,-1.15 0.57,-1.15 0.57,-0.125 1.37,-0.125 1.37,0.125 0.57,0.125 0.57,1.15
  silkscreen extent -1.83,-1.32 1.55,1.32, body extent -1.25,-1 1.25,1, height 0.85
REG_SWR_MYRGP180100W21RA [mm]
  rect 0.35x0.375 smd paste-1 mask+0.05: 1(0.55,0.937) 2(0,0.937) 3(-0.55,0.937) 4(-0.55,-0.937) 5(0,-0.937) 6(0.55,-0.937)
  rect 0.4x2.1 smd paste-1 mask+0.05: 7(1.25,0) 8(-1.25,0)
  round 0.4 hole 0.254 mask+0.051: 9(-0.55,0) 9(0,0) 9(0.55,0)
  rect 0.325x0.4 smd paste-1 mask-1: 9(0,0)
  Top region: 0.596,0.55 -0.75,0.55 -0.75,-0.55 0.75,-0.55 0.75,0.396
  silkscreen extent -1.62,-1.22 1.62,1.37, body extent -1.25,-1 1.25,1, height 1
REG_SWR_XCL214B333DR [mm]
  rect 0.4x0.325 smd paste-0.05 mask+0.05: 1(1.2,-1.363) 3(1.2,-0.438) 4(-1.2,-0.438) 6(-1.2,-1.363)
  rect 0.4x0.2 smd paste-0.05 mask+0.05: 2(1.2,-0.9) 5(-1.2,-0.9)
  rect 0.4x0.325 smd paste-1 mask-1: 7(0,-0.865) 8(0.775,0.775) 9(-0.775,0.775)
  Top region: 1.15,0.05 0.45,0.05 0.431,0.054 0.414,0.064 0.404,0.081 0.4,0.1 0.4,0.1 0.4,1.75 0.625,1.75 0.625,1.55 0.629,1.531 0.639,1.514 0.656,1.504 0.675,1.5 0.675,1.5 1.15,1.5 1.15,0.95 1.154,0.931 1.164,0.914 1.181,0.904 1.2,0.9 1.2,0.9 1.4,0.9 1.4,0.65 1.2,0.65 1.181,0.646 1.164,0.635 1.154,0.619 1.15,0.6 1.15,0.6
  Top region: -1.15,0.05 -0.45,0.05 -0.431,0.054 -0.414,0.064 -0.403,0.081 -0.4,0.1 -0.4,0.1 -0.4,1.75 -0.625,1.75 -0.625,1.55 -0.628,1.531 -0.639,1.514 -0.656,1.504 -0.675,1.5 -0.675,1.5 -1.15,1.5 -1.15,0.95 -1.153,0.931 -1.164,0.914 -1.181,0.904 -1.2,0.9 -1.2,0.9 -1.4,0.9 -1.4,0.65 -1.2,0.65 -1.181,0.646 -1.164,0.635 -1.153,0.619 -1.15,0.6 -1.15,0.6
  Top region: 0.25,-0.07 0.246,-0.051 0.235,-0.035 0.219,-0.024 0.2,-0.02 0.2,-0.02 -0.2,-0.02 -0.219,-0.024 -0.235,-0.035 -0.246,-0.051 -0.25,-0.07 -0.25,-0.07 -0.25,-0.18 -0.254,-0.199 -0.265,-0.215 -0.281,-0.226 -0.3,-0.23 -0.3,-0.23 -0.8,-0.23 -0.8,-1.5 -0.675,-1.5 -0.656,-1.504 -0.64,-1.515 -0.629,-1.531 -0.625,-1.55 -0.625,-1.55 -0.625,-1.75 -0.375,-1.75 -0.375,-1.55 -0.371,-1.531 -0.36,-1.515 -0.344,-1.504 -0.325,-1.5 -0.325,-1.5 0.325,-1.5 0.344,-1.504 0.36,-1.515 0.371,-1.531 0.375,-1.55 0.375,-1.55 0.375,-1.75 0.625,-1.75 0.625,-1.55 0.629,-1.531 0.64,-1.515 0.656,-1.504 0.675,-1.5 0.675,-1.5 0.8,-1.5 0.8,-0.23 0.3,-0.23 0.281,-0.226 0.265,-0.215 0.254,-0.199 0.25,-0.18 0.25,-0.18
  silkscreen extent -1.38,-1.73 1.67,1.71, body extent -1.25,-1.6 1.25,1.6, height 1
RES_0402 [mil] "Resistor - 0402"
  rrect60% 20x20 smd paste+0 mask+1.97: 1(-17.5,0) 2(17.5,0)
  silkscreen extent -33,-17 33,17, body extent -20,-10 20,10, height 13
RES_0603 [mil] "Resistor - 0603"
  rrect35% 35x34 smd paste+0 mask+1.97: 1(-29.5,0) 2(29.5,0)
  silkscreen extent -53,-24 53,24, body extent -31,-16 32,16, height 17
SEN_IMU_LSM6DSMTR [mm]
  rect 0.575x0.35 smd paste-1 mask+0.025: 1(1.162,-0.75) 2(1.162,-0.25) 3(1.162,0.25) 8(-1.163,0.75) 9(-1.163,0.25) 10(-1.163,-0.25)
  rect 0.575x0.35 smd mask+0.025: 4(1.162,0.75) 11(-1.163,-0.75)
  rect 0.35x0.575 smd paste-1 mask+0.025: 5(0.5,0.913) 6(0,0.913) 7(-0.5,0.913) 12(-0.5,-0.913) 13(0,-0.913) 14(0.5,-0.913)
  silkscreen extent -1.55,-1.27 1.85,1.28, body extent -1.5,-1.25 1.5,1.25, height 0.86
SWI_SPDT_CJS-1200TA [mm]
  rect 1x1.6 smd paste-0.025 mask+0.07: 1(-1.75,-1.15) 2(0,1.15) 3(1.75,-1.15)
  silkscreen extent -3.25,-2.5 3.25,2.5, body extent -2.7,-1.4 2.7,1.4, height 2.6
SWI_TACT_435171014816 [mm]
  rrect20% 0.65x0.6 smd paste+0 mask+0.05: 1(-1.575,0.85) 2(1.575,0.85) 3(-1.575,-0.85) 4(1.575,-0.85)
  rrect20% 0.35x0.7 smd paste+0 mask+0.05: 5(-1.725,0) 6(1.725,0)
  silkscreen extent -1.73,-1.55 1.73,1.55, body extent -1.65,-1.45 1.65,1.45, height 1.4
TPO_5011#1 [mm]
  round 2.4 hole 1.6: 1(0,0)
  silkscreen extent -1.68,-1.68 1.67,1.68, body extent -1.59,-1.59 1.59,1.59, height 8.13
TPO_5011#2 [mm]
  round 2.4 hole 1.6: 1(0.003,0)
  silkscreen extent -1.68,-1.68 1.67,1.68, body extent -1.59,-1.59 1.59,1.59, height 8.13
TPO_TH_ROUND_100MIL [mil]
  round 60 hole 42.91 mask+4: 1(0,0)
  silkscreen extent -39,-39 39,39
TRX_NMOS_BSS138LT1G [mm] "SOT23, 3-Leads, Body 2,92x2,37mm, Pitch 0,85mm, IPC Medium Density"
  rect 0.9x0.8 smd paste-0.025 mask+0.07: 1(-1,0.95) 2(-1,-0.95) 3(1,0)
  silkscreen extent -0.3,-1.6 0.8,1.6, body extent -1.32,-1.52 1.32,1.52, height 1.11
TRX_PMOS_SI2369DS-T1-GE3 [mm]
  rect 0.724x0.559 smd paste-0.025 mask+0.07: 1(-0.984,0.95) 2(-0.984,-0.95) 3(0.984,0)
  silkscreen extent -1.11,-1.63 0.81,1.9, body extent -1.32,-1.52 1.32,1.52, height 1.12
TVS_DATA_DT1140-04LP-7 [mm] "SON, 10-Leads, Body 2,51x1,01mm, Pitch 0,50mm, IPC Medium Density"
  rrect30% 0.565x0.2 smd paste+0 mask+0.05: 1(-0.417,1) 2(-0.417,0.5) 4(-0.417,-0.5) 5(-0.417,-1) 6(0.417,-1) 7(0.417,-0.5) 9(0.417,0.5) 10(0.417,1)
  rrect16% 0.565x0.4 smd paste-4 mask+0.05: 3(-0.417,0) 8(0.417,0)
  silkscreen extent -0.95,-1.4 0.54,1.45, body extent -0.57,-1.29 0.57,1.29, height 0.61